# KiCad board fpga.kicad_pcb (continued)
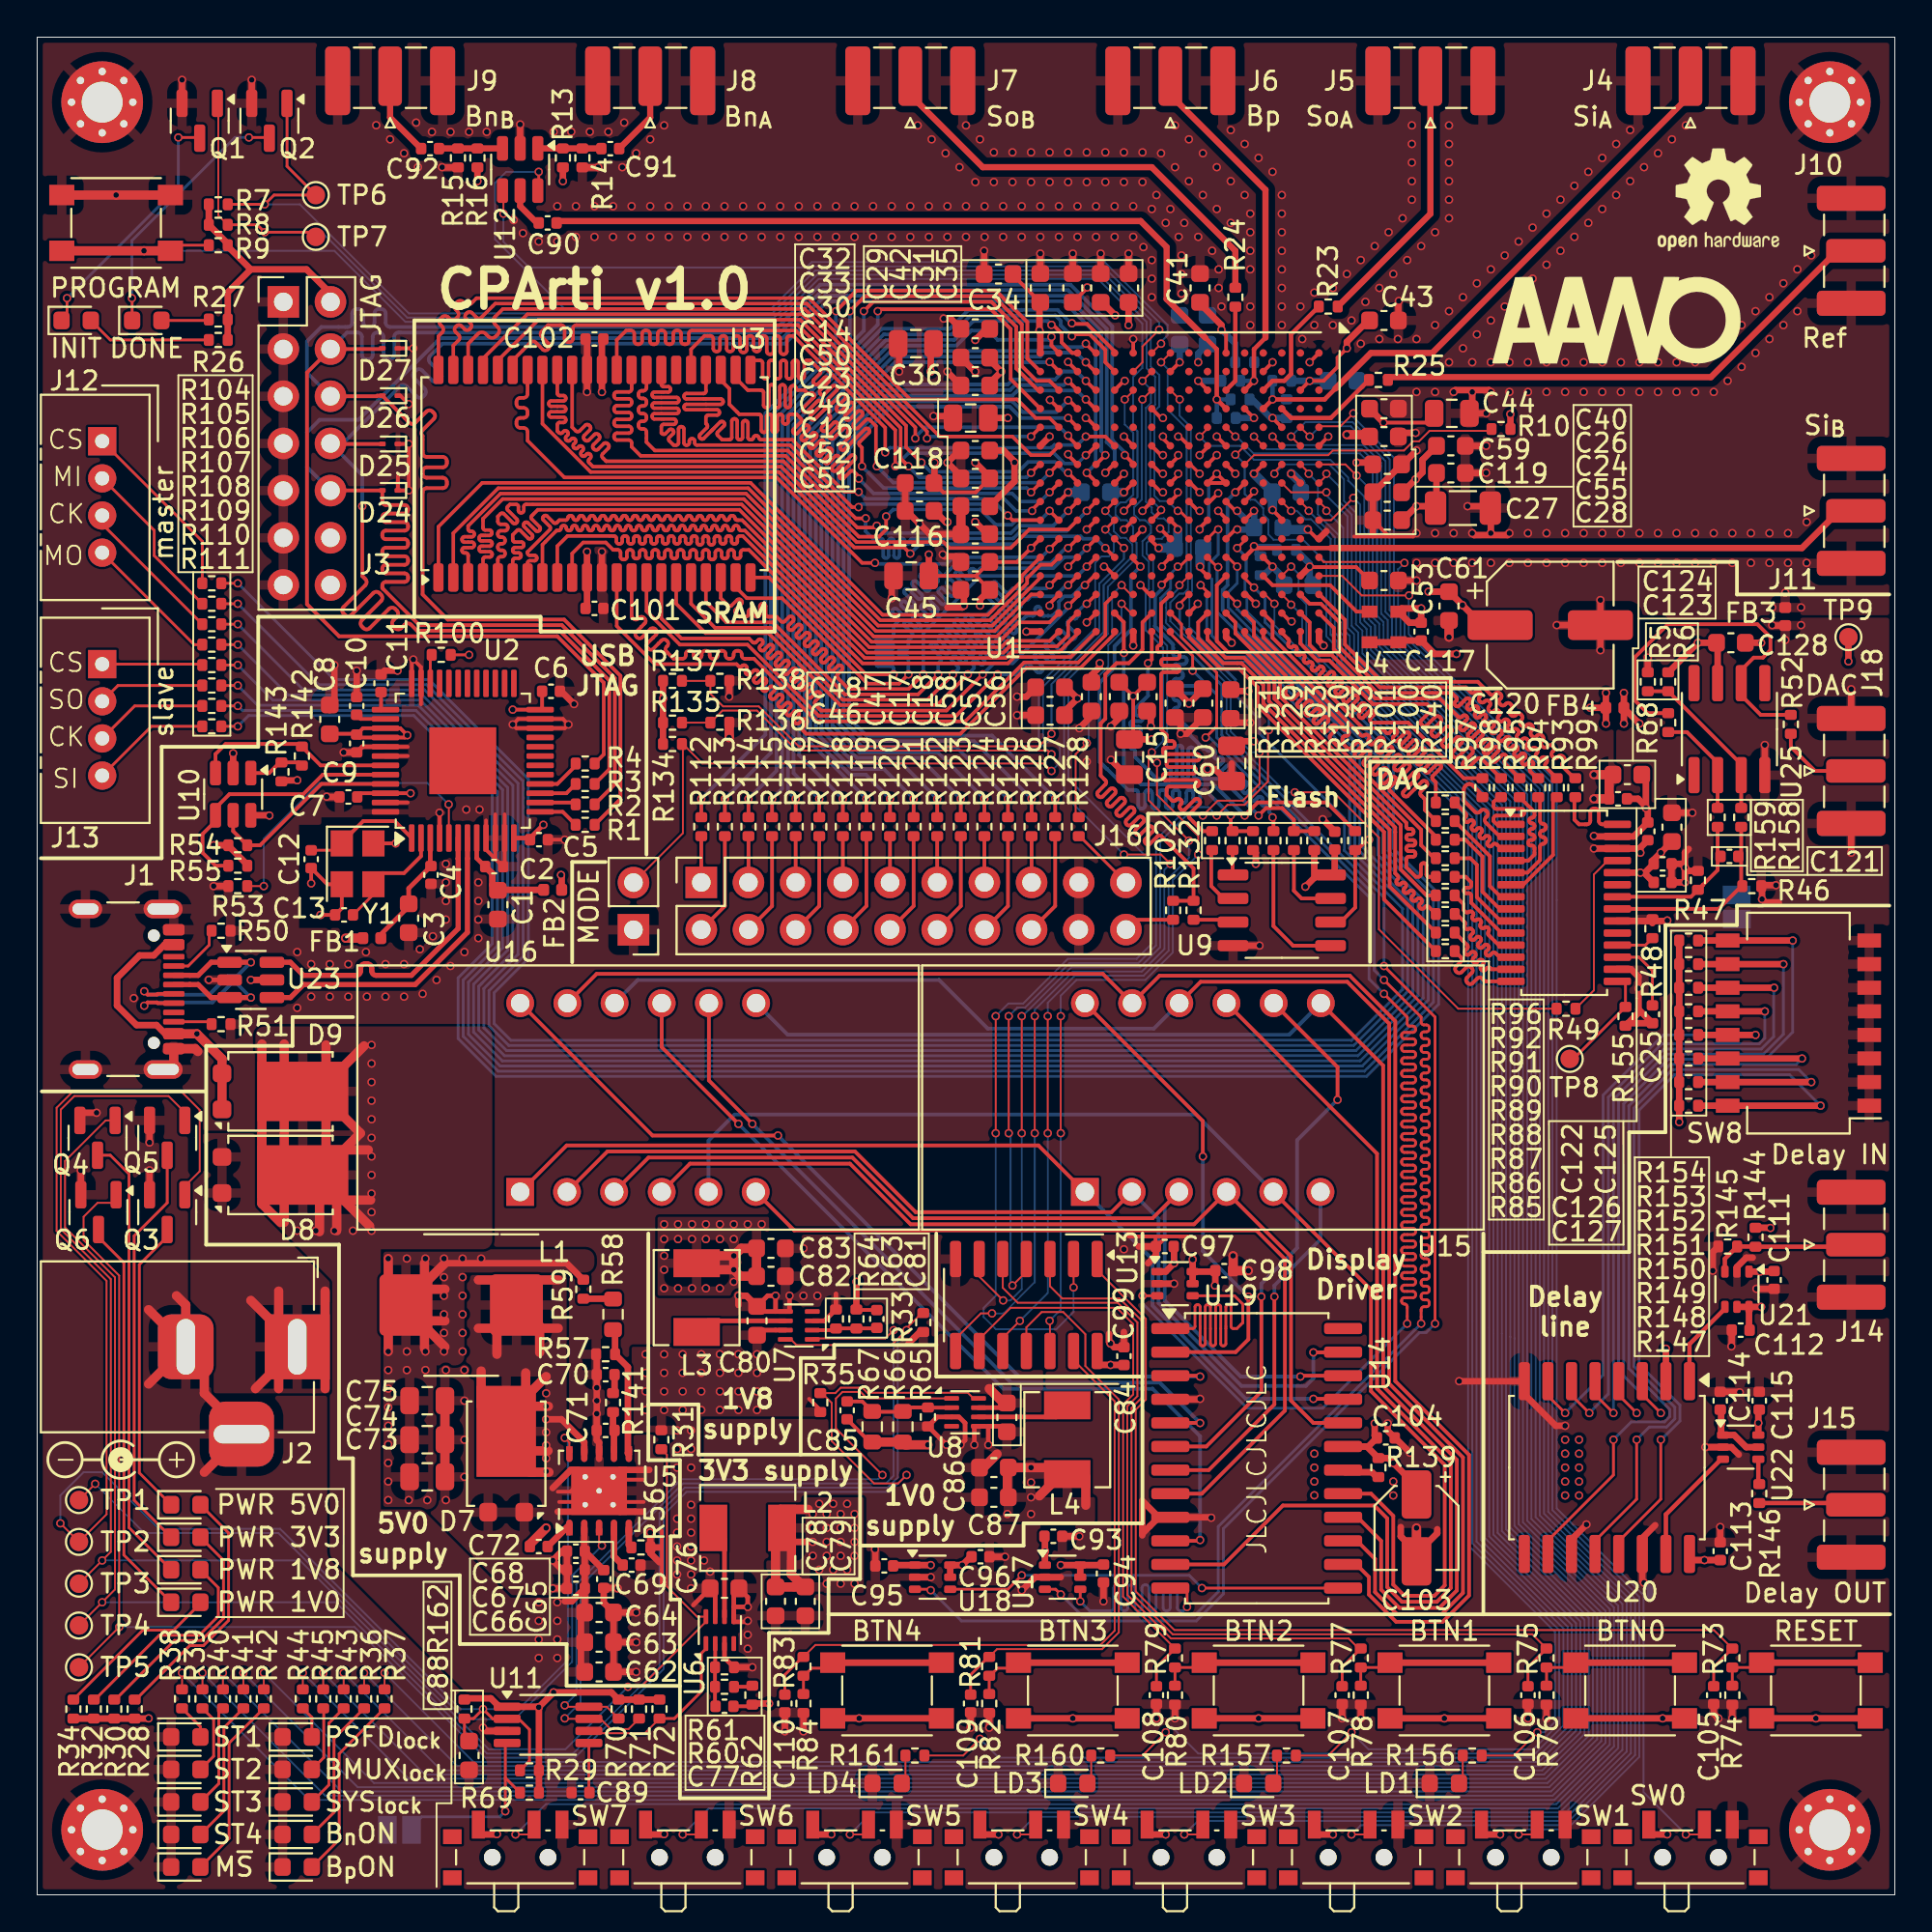
[diagram p0: board, top side]
## Routing (per net, layer and track width the routed paths; a pad name or vN(x,y) marks a point on that pad's centre or on a via; arc(x,y) is an arc through that point) (continued)
Stage3: length 153.7
  Top w0.1: v1(70.85,75.2) 69.65,74 U1.A10 ; R40.1 v1(10,11.95)
  Bottom w0.1: v1(10,11.95) 16.38,5.57 81.49,5.57 84.2,8.28 84.2,15.19 79.53,19.86 79.53,29.94 79.53,58.96 71.57,66.92 71.57,68.14 71.22,68.49 71.22,74.83 v1(70.85,75.2)
Stage4: length 155.8
  Top w0.1: U1.C7 66.6,76.6 v1(66.6,76.5) ; R41.1 v1(11.1,11.95)
  Bottom w0.1: v1(66.6,76.5) 67.1,77 69.54,77 70.34,76.2 70.34,75.04 70.99,74.39 70.99,68.4 71.34,68.05 71.34,66.83 79.3,58.87 79.3,30.04 79.3,19.77 83.97,15.09 83.97,8.37 81.4,5.79 17.26,5.79 v1(11.1,11.95)
SW0: length 79.7
  Top w0.1: SW0.2 89.75,3.25 v1(88.75,3.25) ; U1.A13 70.25,71 71.3,69.95 v1(73.85,69.95)
  Bottom w0.1: v1(88.75,3.25) 86.47,5.53 86.47,16.13 81.8,20.8 81.8,53.55 81.8,59.9 73.84,67.86 73.84,69.94 v1(73.85,69.95)
SW1: length 84.3
  Top w0.1: SW1.2 80.75,3.25 v1(79.75,3.25) ; U1.A12 69.25,71.75 73.55,71.75 v1(73.6,71.7)
  Bottom w0.1: v1(73.6,71.7) 73.26,71.36 73.26,69.34 73.61,68.99 73.61,67.77 81.57,59.81 81.57,20.71 86.24,16.03 86.24,7.43 82.34,3.52 80.02,3.52 v1(79.75,3.25)
SW2: length 99.2
  Top w0.1: U1.A5 69.05,79.05 70.15,79.05 v1(70.85,79.75) ; v1(70.75,3.25) 71.75,3.25 SW2.2
  Bottom w0.1: v1(70.85,79.75) 70.85,79.56 73.03,77.37 73.03,69.25 73.38,68.9 73.38,67.67 81.34,59.71 81.34,20.62 86.02,15.94 86.02,7.53 82.24,3.75 71.25,3.75 v1(70.75,3.25)
SW3: length 109.6
  Top w0.1: SW3.2 62.75,3.25 v1(61.75,3.25) ; v1(67.5,78.5) U1.B6
  Bottom w0.1: v1(61.75,3.25) 62.48,3.98 82.15,3.98 85.79,7.62 85.79,15.85 81.12,20.52 81.12,29.28 81.12,59.62 73.15,67.58 73.15,68.8 72.8,69.15 72.8,77.28 70.8,79.28 68.28,79.28 v1(67.5,78.5)
SW4: length 116.8
  Top w0.1: v1(52.75,3.25) 53.75,3.25 SW4.2 ; v1(68.5,78.5) U1.B5
  Bottom w0.1: v1(52.75,3.25) 53.7,4.2 82.05,4.2 85.56,7.71 85.56,15.75 80.89,20.43 80.89,59.52 72.93,67.48 72.93,68.71 72.58,69.06 72.58,77.19 70.71,79.05 69.05,79.05 v1(68.5,78.5)
SW5: length 126.8
  Top w0.1: v1(66.5,78.5) U1.C6 ; v1(43.75,3.25) 44.75,3.25 SW5.2
  Bottom w0.1: v1(66.5,78.5) 66.95,78.05 71.4,78.05 72.35,77.09 72.35,68.96 72.7,68.61 72.7,67.39 80.66,59.43 80.66,20.33 85.34,15.66 85.34,7.81 81.96,4.43 81.77,4.43 44.93,4.43 v1(43.75,3.25)
SW6: length 136.2
  Top w0.1: SW6.2 35.75,3.25 v1(34.75,3.25) ; v1(65.5,78.5) U1.D6
  Bottom w0.1: v1(65.5,78.5) 66.18,77.82 71.3,77.82 72.12,77 72.12,68.87 72.47,68.52 72.47,67.3 80.43,59.34 80.43,20.24 85.11,15.56 85.11,7.9 81.87,4.66 36.16,4.66 v1(34.75,3.25)
SW7: length 145.7
  Top w0.1: v1(64.5,78.5) U1.F5 ; v1(25.75,3.25) 26.75,3.25 SW7.2
  Bottom w0.1: v1(25.75,3.25) 27.38,4.88 81.58,4.89 81.77,4.88 84.88,8 84.88,15.47 80.21,20.15 80.21,59.05 80.21,59.24 72.25,67.2 72.25,68.43 71.9,68.78 71.9,76.9 71.21,77.59 65.48,77.59 64.57,78.5 v1(64.5,78.5)
SYS_{lock}: length 145
  Top w0.1: v1(68.45,76.5) 68.45,76.55 U1.B7 ; R43.1 v1(16.5,11.95)
  Bottom w0.1: v1(68.45,76.5) 68.45,76.49 68.95,75.99 68.95,74.31 70.08,73.18 70.08,68.02 70.43,67.67 70.43,66.45 78.39,58.49 78.39,58.3 78.39,30.41 78.39,30.22 78.39,19.39 83.07,14.72 83.07,8.75 81.02,6.7 21.75,6.7 v1(16.5,11.95)
VDC: length 17.2
  Top w0.5: 11.5,32 J2.1 11.75,27.25 ; 15.5,32.5 15.5,27.25 ; 13,27.25 13,32.5
Net-(BTN0-Pad2): length 8.5
  Top w0.15: BTN0.2 82.57,12.24 R75.1 R76.1
  Top w0.35: BTN0.2 BTN0.2
Net-(BTN1-Pad2): length 8.5
  Top w0.15: R78.1 R77.1 72.57,12.24 BTN1.2
  Top w0.35: BTN1.2 BTN1.2
Net-(BTN2-Pad2): length 8.5
  Top w0.15: R80.1 R79.1 62.57,12.24 BTN2.2
  Top w0.35: BTN2.2 BTN2.2
Net-(BTN3-Pad2): length 8.7
  Top w0.15: 51.25,11.77 51.25,10.79 ; R81.1 51.29,11.79 51.7,12.2 52.53,12.2 BTN3.2
  Top w0.35: BTN3.2 BTN3.2
Net-(BTN4-Pad2): length 8.7
  Top w0.15: BTN4.2 42.53,12.2 41.7,12.2 41.29,11.79 R83.1 R84.1
  Top w0.35: BTN4.2 BTN4.2
Net-(BTN6-Pad2): length 8.5
  Top w0.15: R74.1 R73.1 92.57,12.24 BTN6.2
  Top w0.35: BTN6.2 BTN6.2
Net-(C70-Pad2): length 1
  Top w0.35: C70.2 31.08,27.09 R141.2
Net-(C105-Pad2): length 55
  Top w0.1: U13.1 57.06,33.62 59.68,31 59.68,26.66 59.13,26.11 59.13,16.34 61.22,14.25 90.26,14.25 R73.2 91.24,13.26
  Top w0.15: R73.2 90.25,12.26 C105.2
Net-(C106-Pad2): length 48.1
  Top w0.1: U13.3 54.52,32.77 55.19,32.1 58.26,32.1 59.45,30.91 59.45,26.75 58.91,26.21 58.91,16.24 61.13,14.03 80.48,14.03 R75.2
  Top w0.15: C106.2 80.25,12.26 R75.2
Net-(C107-Pad2): length 40.7
  Top w0.1: R77.2 71.14,13.26 70.6,13.8 61.03,13.8 58.68,16.15 58.68,26.3 59.23,26.85 59.23,30.82 58.17,31.87 52.78,31.87 51.98,32.68 U13.5
  Top w0.15: R77.2 70.25,12.26 C107.2
Net-(C108-Pad2): length 31.3
  Top w0.1: U13.9 50.71,29.91 52.4,31.6 58.12,31.6 59,30.72 59,26.94 58.45,26.39 58.45,16.06 R79.2
  Top w0.15: C108.2 60.25,12.26 R79.2
Net-(C109-Pad2): length 32.1
  Top w0.1: R81.2 51.67,13.23 57.33,13.23 58.23,14.13 58.23,26.67 56.43,28.47 56.43,30.18 55.23,31.37 54.07,31.37 53.25,30.55 U13.11
  Top w0.15: 51.25,12.79 51.19,12.79 50.25,11.85 50.25,10.76
Net-(C110-Pad2): length 35.8
  Top w0.1: R83.2 41.89,13.45 57.23,13.45 58,14.22 58,26.57 55.79,28.78 U13.13
  Top w0.15: R83.2 41.21,12.81 40.25,11.85 C110.2
Net-(D1-A): length 6.8
  Top w0.15: D1.2 3.94,83.7 R26.1
Net-(D1-K): length 13.6
  Top w0.15: Q1.3 8.71,94.6 v1(7.6,94.6) ; D1.1 1.61,85.05 v1(1.61,85.95)
  Bottom w0.15: v1(7.6,94.6) 7.6,91.94 v1(1.61,85.95)
Net-(D2-A): length 2.6
  Top w0.15: D2.2 9.19,84.75 R27.1
Net-(D2-K): length 14
  Top w0.15: Q2.3 12.46,94.6 v1(11.4,94.6) ; D2.1 5.11,85.94 v1(5.1,85.95)
  Bottom w0.15: v1(5.1,85.95) 5.1,89.05 10.65,94.6 v1(11.4,94.6)
Net-(D3-A): length 13.7
  Top w0.15: D3.2 10.3,19.48 10.3,14.77 8.95,13.42 8.22,13.42 5.31,10.51 R28.1
Net-(D3-K): length 16.1
  Top w0.15: D3.1 5.5,22.71 5.5,33.92 7,35.42 Q3.3
Net-(D4-A): length 12.6
  Top w0.15: R30.1 4.21,10.51 7.4,13.7 8.84,13.7 10.03,14.89 10.03,18.01 D4.2
Net-(D4-K): length 22.1
  Top w0.15: D4.1 5.22,21.24 5.22,35.47 7,37.25 Q5.3
Net-(D5-A): length 11.5
  Top w0.15: D5.2 9.75,16.54 9.75,15 8.72,13.97 6.57,13.97 3.11,10.51 R32.1
Net-(D5-K): length 24.4
  Top w0.15: Q4.3 3.94,39.81 4.95,38.8 4.95,19.77 D5.1
Net-(D6-A): length 9
  Top w0.15: R34.1 5.69,14.25 7.35,14.25 8.79,15.69 D6.2
Net-(D6-K): length 21.7
  Top w0.15: Q6.3 3.3,35.4 4.67,34.03 4.67,18.29 D6.1
Net-(D10-A): length 8
  Top w0.15: D10.2 15.98,4.44 15.98,8.42 R36.2
Net-(D11-A): length 10.2
  Top w0.15: D11.2 16.26,2.97 16.26,7.6 R37.2
Net-(D12-A): length 1.9
  Top w0.15: D12.2 8.79,9.05 R38.2
Net-(D13-A): length 3.8
  Top w0.15: R39.2 9.5,9.44 9.5,7.46 D13.2
Net-(D14-A): length 5.5
  Top w0.15: R40.2 9.78,9.82 9.78,5.99 D14.2
Net-(D15-A): length 7.7
  Top w0.15: D15.2 10.05,4.52 10.05,8.99 R41.2
Net-(D16-A): length 10
  Top w0.15: D16.2 10.33,3.04 10.33,8.17 R42.2
Net-(D17-A): length 5.7
  Top w0.15: D17.2 15.7,5.92 15.7,9.24 R43.2
Net-(D18-A): length 1.7
  Top w0.15: R44.2 14.79,9.55 D18.2
Net-(D19-A): length 3.6
  Top w0.15: R45.2 15.43,10.01 15.43,7.39 D19.2
Net-(D20-A): length 1.6
  Top w0.1: R156.2 76.74,6.2 D20.2
Net-(D21-A): length 1.6
  Top w0.1: R157.2 66.74,6.2 D21.2
Net-(D22-A): length 1.6
  Top w0.1: D22.2 56.74,6.2 R160.2
Net-(D23-A): length 1.6
  Top w0.1: D23.2 46.74,6.2 R161.2
Net-(J1-CC1): length 3.3
  Top w0.15: 9.26,52.06 9.26,51.13 8.13,50 J1.A5
Net-(J1-CC2): length 2.1
  Top w0.15: J1.B5 9.26,47 R51.1
Net-(JP2-B): length 10.4
  Top w0.15: 25.2,6.3 25.2,8.07 U11.4 ; 25.2,6.3 25.99,5.51 R69.1 ; 25.2,6.3 v1(25.2,4.5)
  Bottom w0.15: v1(25.2,4.5) 24.9,4.2 20.7,4.2 20.15,3.65 JP2.2
Net-(R58-Pad1): length 1.9
  Top w0.35: R59.1 30.98,32.09 R58.1 30.75,32.08
Net-(R61-Pad2): length 1
  Top w0.2: R61.2 38.44,11.2 R62.1
Net-(U1A-IO_L3P_T0_DQS_PUDC_B_14): length 13.4
  Top w0.1: v1(56.5,62) 55.9,61.4 55.9,58.18 R128.2 ; v1(58.38,69.5) 58.88,69 U1.L15 59.03,69
  Bottom w0.1: v1(58.38,69.5) 58.38,67.98 57.65,67.26 57.65,66.11 56.6,65.06 56.6,62.1 v1(56.5,62)
Net-(U2-REF): length 16.9
  Top w0.1: U2.5 22.16,58.69 v1(22.15,58.7) ; v1(12.2,54.3) R53.2
  Bottom w0.1: v1(12.2,54.3) 12.2,56.85 15.2,59.85 21,59.85 v1(22.15,58.7)
Net-(U2-VCCA): length 1.2
  Top w0.2: C11.2 18.51,63.76 18.55,63.8 U2.37
Net-(U2-VCCCORE): length 1.6
  Top w0.2: U2.38 17.42,63.3 C10.2
Net-(U2-VPHY): length 6.5
  Top w0.25: U2.3 21.16,55.42 C4.2 20,54.18 C3.2 20,53.2 18.5,51.7 FB1.2
Net-(U2-VPLL): length 5.8
  Top w0.25: C2.2 23.66,55.81 U2.8
  Top w0.35: C2.2 24.5,54.97 24.5,54.38 C1.2 24.82,54.1 FB2.2
Net-(U2-XCSI): length 6.5
  Top w0.148: C12.2 16.03,56.23 Y1.1
  Top w0.15: Y1.1 16.4,56.65
  Top w0.199: 16.4,56.65 17.55,57.8 19.25,57.8 U2.1
Net-(U2-XCSO): length 6.3
  Top w0.148: Y1.3 18.1,53.85 C13.2
  Top w0.15: 18.1,54.53 Y1.3
  Top w0.199: U2.2 20.66,55.91 19.75,55 18.57,55 18.1,54.53
Net-(U2-~{RESET}): length 1.6
  Top w0.15: U2.34 21.16,66.67 R100.1
Net-(U5-BOOT): length 1.8
  Top w0.35: C72.2 28.65,19.92 U5.1
Net-(U5-COMP): length 2.1
  Top w0.35: R141.1 31,25.08 C71.2 31.05,24.97 U5.7
Net-(U5-EN): length 41.4
  Top w0.1: v1(30.4,18.8) 30.25,18.95 U5.3 ; v1(3.12,22.12) TP1.1
  Bottom w0.1: v1(30.4,18.8) 28.8,17.2 28.8,12.55 25.7,9.45 23.01,9.45 12.99,19.48 5.77,19.48 v1(3.12,22.12)
Net-(U5-FB): length 7.1
  Top w0.35: R58.2 31.11,30.32 R57.1 31.8,28.41 31.8,23.78 U5.6
Net-(U5-RT/CLK): length 1.1
  Top w0.35: R56.1 31.85,18.84 U5.5
Net-(U5-SS/TR): length 2.2
  Top w0.35: C69.2 31.05,18.22 U5.4
Net-(U6-FB): length 3.4
  Top w0.2: C77.1 36.49,10.18 R61.1 R60.2 36.5,12.26 U6.2
Net-(U6-SW): length 5
  Top w0.25: L2.1 37,19.15 U6.6
Net-(U7-FB): length 3.5
  Top w0.2: 41.75,30.4 42.91,30.4 43,30.49 45.17,30.49 45.2,30.52
Net-(U7-SW): length 5
  Top w0.25: L3.1 36.1,30.9 40.3,30.9
Net-(U8-FB): length 6.2
  Top w0.2: R67.1 44.41,26.56 C85.1 ; U8.2 47.96,26.22 R65.2 46.71,26.23 ; 46.71,26.23 46.47,26 45.18,26 44.95,26.22 ; 46.71,26.23 46.6,26.12
Net-(U8-SW): length 5
  Top w0.25: 50.68,25.72 54.85,25.72 55.45,26.33
Net-(U9-SI/SIO0): length 7.6
  Top w0.2: R130.2 66.55,52.15 67.6,51.09 U9.5
Net-(U9-SO/SIO1): length 3.4
  Top w0.2: R131.2 63.2,56.19 63.2,54.3 63.87,53.64 U9.2
Net-(U9-~{CS}): length 1.3
  Top w0.2: R129.2 64.35,54.93 U9.1
Net-(U9-~{HOLD}/SIO3): length 4.3
  Top w0.2: R133.2 67.65,54.05 68.06,53.64 U9.7
Net-(U9-~{WP}/SIO2): length 2.2
  Top w0.2: U9.3 64.25,52.49 R132.2
Net-(U10-DO): length 3.1
  Top w0.2: U10.1 12.49,60.39 13.06,60.96 R143.2 14.08,60.96 R142.1
Net-(U11-TADJ): length 2.7
  Top w0.15: C89.2 29.7,5.53 U11.5
Net-(U14-ISET): length 2.2
  Top w0.35: 72.11,22.49 72,22.6 ; 72.11,22.49 71.85,22.75 70.41,22.75 U14.18 ; 72.11,22.49 R139.2
Net-(U24-FS_ADJ): length 2
  Top w0.15: R48.2 86.57,51.12 U24.18
Net-(U24-REFIO): length 4.1
  Top w0.15: C25.1 86.95,49.75 86.22,50.47 U24.17
unconnected-(U1A-IO_L5P_T0_AD9P_15-PadB12): length 0
  Top w0.1: U1.B12 68,71.95
unconnected-(U1B-IO_L6P_T0_34-PadM5): length 0
  Top w0.148: U1.M5 58,79.02

## Copper pours and planes (outline as drawn; the poured copper is in the pictures)
+1V0 on Top: 51.45,20.08 51.45,23.4 56.95,23.4 56.95,20.08
+1V0 on In2(VCC).Cu: 62.75,74 62.75,71.75 68,71.75 69.75,70.25 69.75,36.75 57.5,24.5 47.5,24.5 47.5,20 60,20 76.25,36.25 76.25,73.75 72,78 66.25,78 66.25,83 61.75,83 61.75,82.25 59.5,82.25 59.5,77.25 47.75,77.25 47.75,74.8 58.5,74.8 58.5,74
+1V8 on Top: 39.4,36.5 39.4,33.5 38.15,33.5 38.15,32.25 33.4,32.25 33.4,36.5
+1V8 on In2(VCC).Cu: 52.7,74.5 52.5,74.7 49.1,74.7 48,73.6 48,72.4 48.8,72.4 48.8,71.75 57.75,71.75 57.75,67.5 58.5,67.5 58.5,53.25 41.75,36.5 33.2,36.5 33.2,32.25 48.25,32.25 63.5,47.5 63.5,64.5 62.75,64.5 62.75,74.5
+3.3VA on In2(VCC).Cu: 100,53.25 87.75,53.25 87.75,49.75 85,49.75 85,68.75 100,68.75
+3V3 on Top: 44.5,16.25 44.5,21.4 39.25,21.4 39.25,16.25
+3V3 on In2(VCC).Cu: 0,100 0,0 100,0 100,100
+5V on Top: 48.2,30.2 49.5,30.2 49.5,28.25 54.15,28.25 54.15,25.75 35.75,25.75 35.75,18.5 37,18.5 37,15 35.5,15 33.9,16.6 33.9,24.9 32,24.9 32,29.5 36.8,29.5 36.8,30.7 41.25,30.75 41.25,29.5 45.9,29.5 47.5,31.2 48.2,31.2
+5V on Top: 30,34.75 30,33.5 23,33.5 23,28.5 21.5,28.5 21.5,20.75 18.5,20.75 18.5,34.75
+5V on Bottom: 86.5,16.25 81.75,21 81.75,25.5 84.75,28.5 86.25,28.5 86.25,42.25 88.25,44.25 93.5,44.25 93.5,16.25
+5V on Bottom: 35,21.7 33.7,20.4 33.7,15.7 38.3,15.7 38.3,12.2 81.7,12.2 81.7,14.2 77,18.9 77,32.6 64.7,32.6 62.8,34.5 62.7,37.7 60.7,37.7 60.7,30.6 65.1,26.2 70.3,26.2 63.9,19.7 63.9,16.2 62.4,14.7 56.1,14.7 56.1,18.5 45.9,18.5 45.9,21.7
+5V on In2(VCC).Cu: 38.25,15.5 38.25,9.5 18.5,9.5 18.5,34.75 24.5,34.75 24.5,33.75 28.75,29.5 39.25,29.5 39.25,24 39.23,15.5
+5V on In2(VCC).Cu: 83.5,21 68.25,21 68.25,25.75 83.5,25.75
GND on Top: 0,100 0,0 100,0 100,100
GND on Bottom: 0,100 100,100 100,0 0,0
GND on In1(GND).Cu: 0,100 100,100 100,0 0,0
GNDA on Top, Bottom, In1(GND).Cu: 100,68.75 85,68.75 85,48.5 87.75,48.5 87.75,53.25 100,53.25
VDD on Top: 24.5,34.75 18.5,34.75 18.5,20.75 20.75,20.75 25.5,16 29,16 29,20.25 31,20.25 31,10.25 23.75,10.25 15.75,18.25 15.75,33 11.75,37 11.75,46.75 24.5,46.75
VDD on In2(VCC).Cu: 18.5,46.75 18.5,20.75 20.75,20.75 25.5,16 28.25,16 28.25,12.25 21.75,12.25 15.75,18.25 15.75,33 11.75,37 11.75,46.75
/Power/SW_5V on Top: 28.5,22.5 23.5,22.4 23.25,28.25 23,28.25 23,33.5 28.5,33.5
VDC on Top: 15.75,27 9.5,27 9.5,30.75 8.25,32 8.25,41 11.75,41 11.75,37 15.75,33

## Text on the board
User.Comments: Trace widths calculations from JLCPCB Impedance Calculator: / Layer Stackup: JLC04161H-7628 / 1. SMA: 50 Ohm Coplanar single ended: / Signal layer: Layer 1 / Bottom Ref: Layer 2 / Trace Width: 0.3472 mm / Impedance trace to copper: 0.75 mm / 2. 50_ohm: 50 Ohm Coplanar single ended: / Space constrained / Signal layer: Layer 1 / Bottom Ref: Layer 2 / Trace Width:  mm / Impedance trace to copper:  mm / 3. 50_ohm_narrow: 50 Ohm Coplanar single ended: / Space constrained / Signal layer: Layer 1 / Bottom Ref: Layer 2 / Trace Width: 0.1994 mm / Impedance trace to copper: 0.1 mm / 4. SRAM: 50.835 Ohm Coplanar single ended: / Space constrained / Signal layer: Layer 1 / Bottom Ref: Layer 2 / Trace Width: 0.19 mm / Impedance trace to copper: 0.1 mm / 5. USB: 90 Ohm Coplanar differential pair: / Signal layer: Layer 1 / Bottom Ref: Layer 2 / Trace Width: 0.2771 mm / Trace Spacing: 0.220 mm / Impedance trace to copper: 0.2 mm | From {dblquote}7 Series FPGAs PCB Design Guide{dblquote} (UG483): / {dblquote}The 0805 and 0603 capacitors cover the middle frequency range. Placement has some impact on their performance. The capacitors should be placed as close as possible to the FPGA. Any placement within two electrical inches of the device's point of load is acceptable.{dblquote} / 2 in = 50.8 mm
F.Silkscreen: MO | CS | CK | SO | MI | SI | - | + | JLCJLCJLCJLC | Flash | 5V0 / supply | USB / JTAG | SRAM | 1V8 / supply | 3V3 supply | 1V0 / supply | Display / Driver | DAC | Delay / line | CPArti v1.0
